# KiCad board Layer0.kicad_pcb (continued)
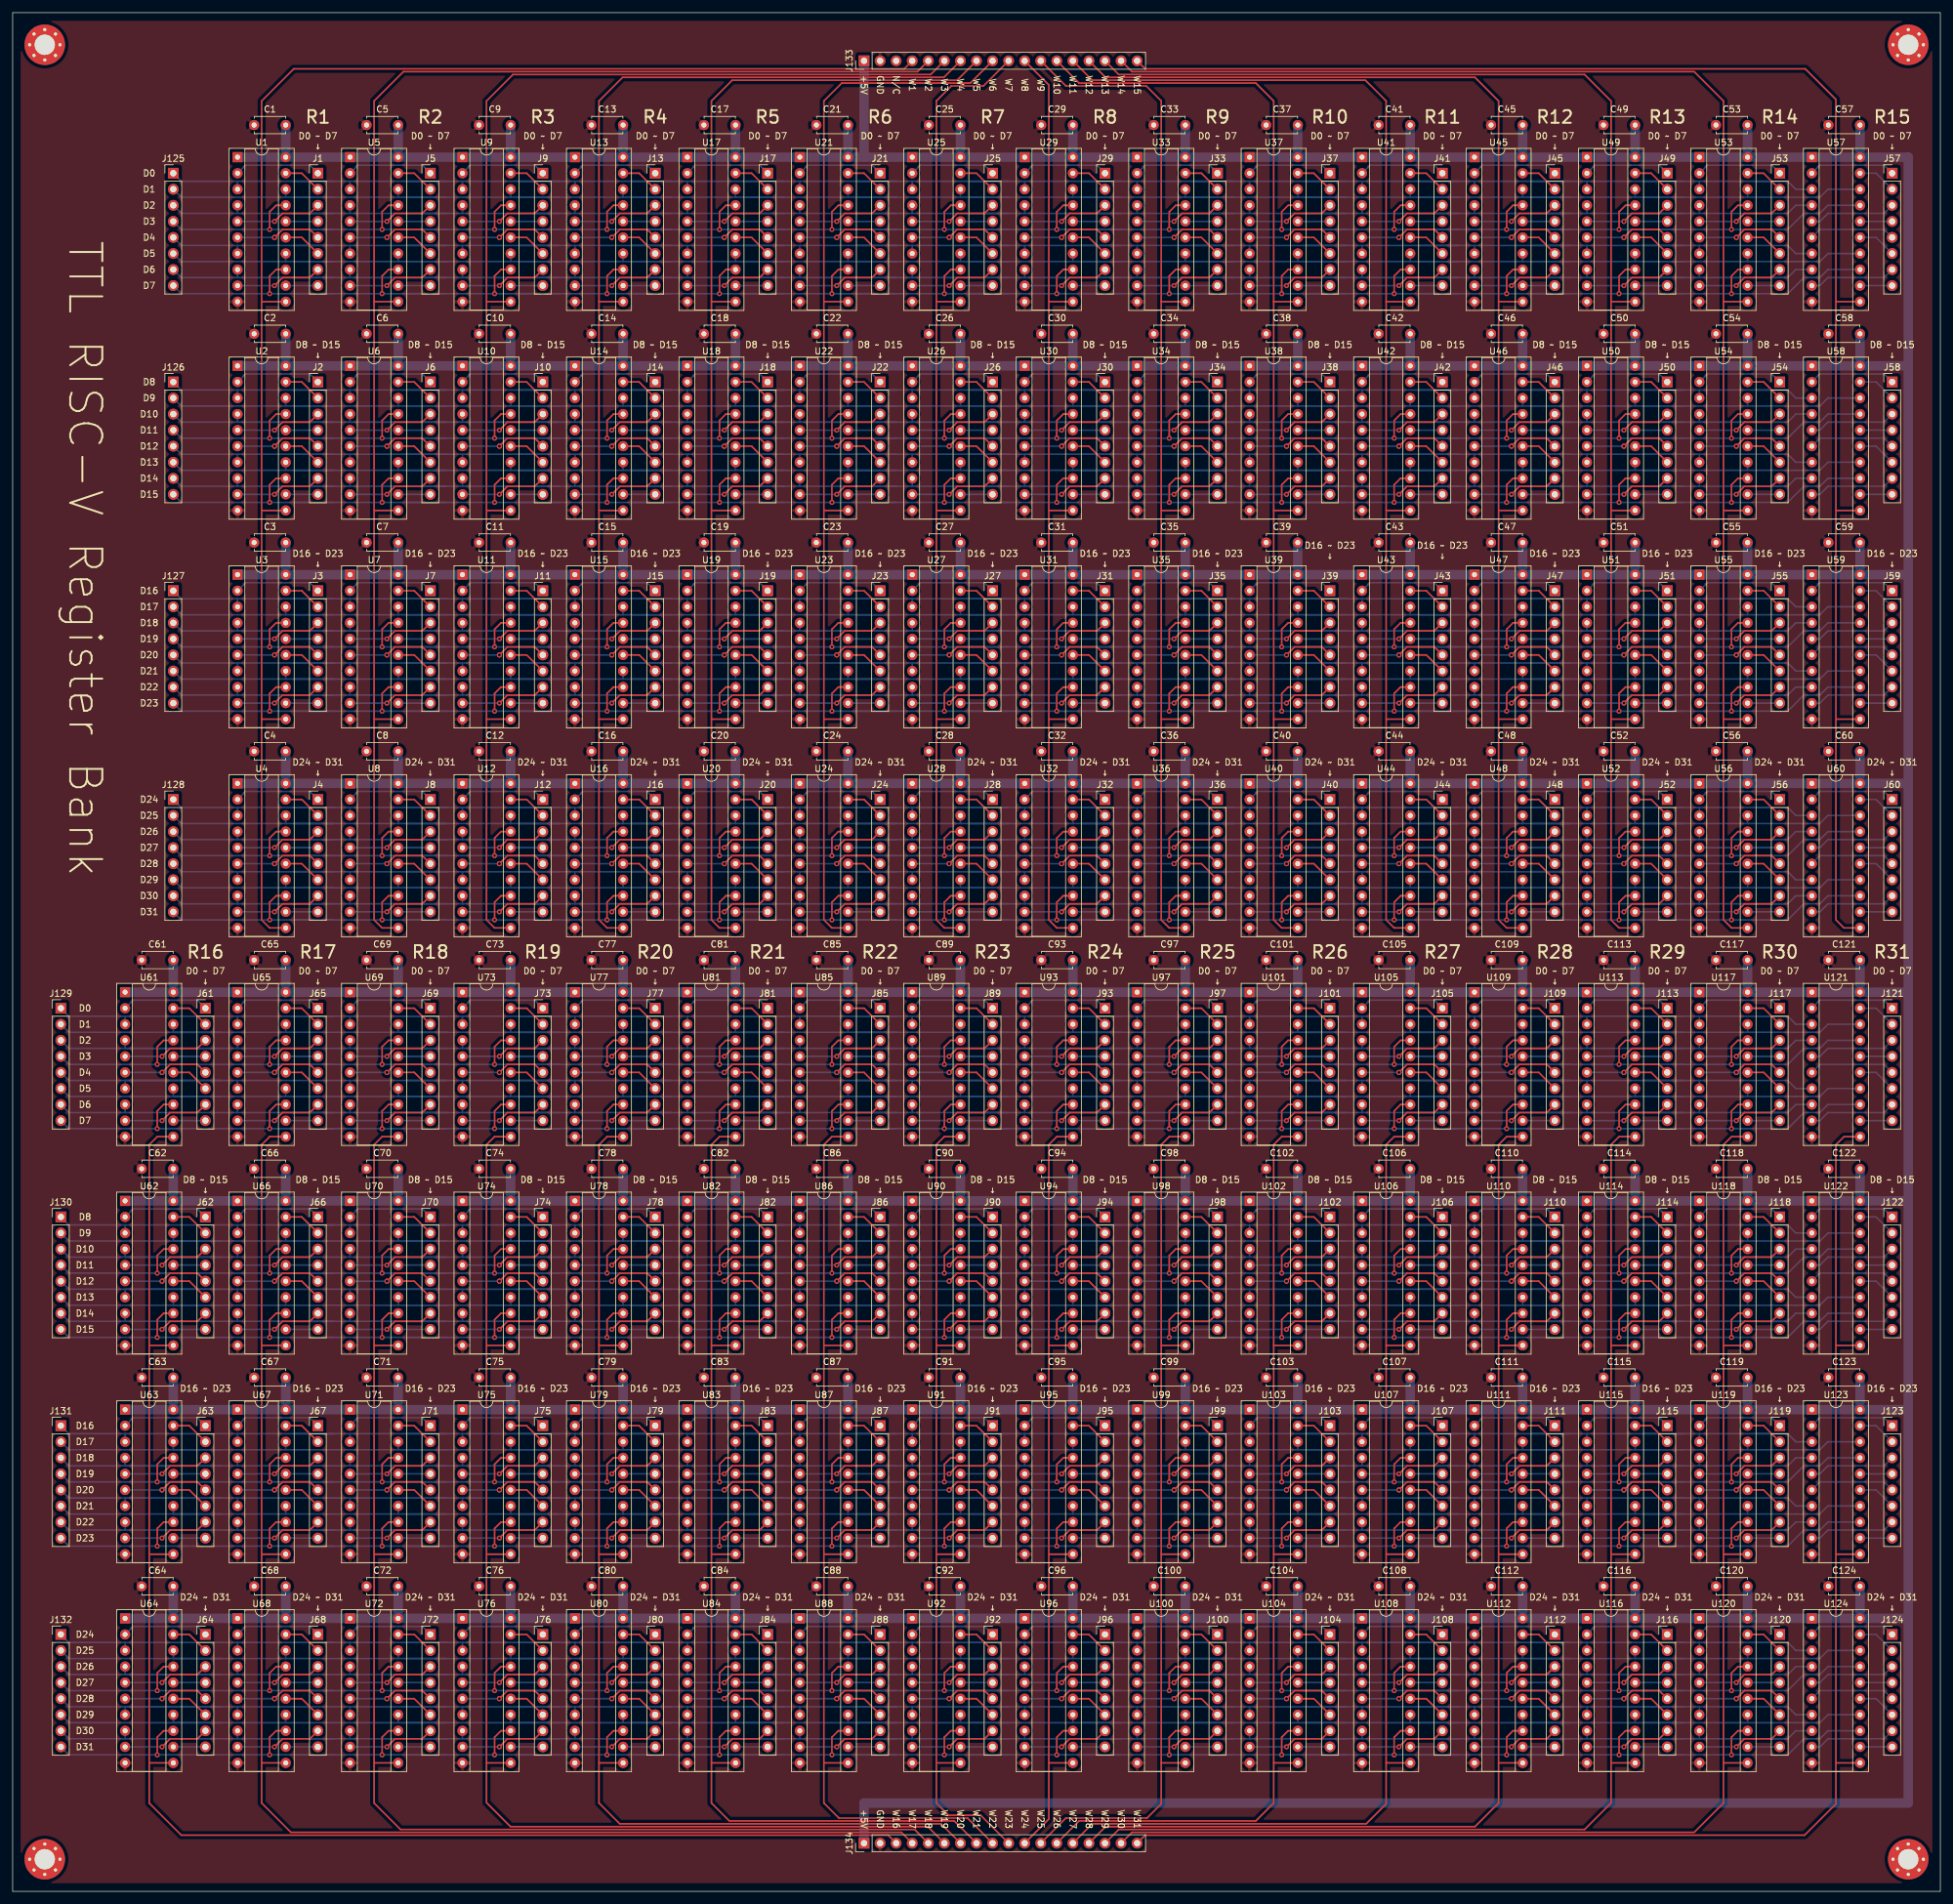
[diagram p0: board, top side]
## Routing (per net, layer and track width the routed paths; a pad name or vN(x,y) marks a point on that pad's centre or on a via; arc(x,y) is an arc through that point) (continued)
Net-(J8-Pad1): length 13.8
  Bottom w0.25: J8.1 64.77,173.99 54.61,173.99 U8.2
Net-(J8-Pad2): length 6.1
  Top w0.25: J8.2 63.5,172.72 U8.19
Net-(J8-Pad3): length 13.8
  Top w0.25: J8.3 64.77,166.37 60.45,166.37 v1(59.18,165.1)
  Bottom w0.25: U8.5 v1(59.18,165.1)
Net-(J8-Pad4): length 5.1
  Bottom w0.25: J8.4 U8.16
Net-(J8-Pad5): length 13.8
  Top w0.25: v1(59.18,162.56) 60.45,163.83 64.77,163.83 J8.5
  Bottom w0.25: U8.6 v1(59.18,162.56)
Net-(J8-Pad6): length 6.1
  Top w0.25: U8.15 63.5,162.56 J8.6
Net-(J8-Pad7): length 13.8
  Top w0.25: J8.7 64.77,156.21 60.45,156.21 v1(59.18,154.94)
  Bottom w0.25: U8.9 v1(59.18,154.94)
Net-(J8-Pad8): length 5.1
  Bottom w0.25: U8.12 J8.8
Net-(J9-Pad1): length 13.8
  Bottom w0.25: J9.1 82.55,273.05 72.39,273.05 U9.2
Net-(J9-Pad2): length 6.1
  Top w0.25: J9.2 81.28,271.78 U9.19
Net-(J9-Pad3): length 13.8
  Top w0.25: J9.3 82.55,265.43 78.23,265.43 v1(76.96,264.16)
  Bottom w0.25: U9.5 v1(76.96,264.16)
Net-(J9-Pad4): length 5.1
  Bottom w0.25: J9.4 U9.16
Net-(J9-Pad5): length 13.8
  Top w0.25: v1(76.96,261.62) 78.23,262.89 82.55,262.89 J9.5
  Bottom w0.25: U9.6 v1(76.96,261.62)
Net-(J9-Pad6): length 6.1
  Top w0.25: U9.15 81.28,261.62 J9.6
Net-(J9-Pad7): length 13.8
  Top w0.25: v1(76.96,254) 78.23,255.27 82.55,255.27 J9.7
  Bottom w0.25: U9.9 v1(76.96,254)
Net-(J9-Pad8): length 5.1
  Bottom w0.25: U9.12 J9.8
Net-(J10-Pad1): length 13.8
  Bottom w0.25: J10.1 82.55,240.03 72.39,240.03 U10.2
Net-(J10-Pad2): length 6.1
  Top w0.25: J10.2 81.28,238.76 U10.19
Net-(J10-Pad3): length 13.8
  Top w0.25: J10.3 82.55,232.41 78.23,232.41 v1(76.96,231.14)
  Bottom w0.25: U10.5 v1(76.96,231.14)
Net-(J10-Pad4): length 5.1
  Bottom w0.25: J10.4 U10.16
Net-(J10-Pad5): length 13.8
  Top w0.25: J10.5 82.55,229.87 78.23,229.87 v1(76.96,228.6)
  Bottom w0.25: U10.6 v1(76.96,228.6)
Net-(J10-Pad6): length 6.1
  Top w0.25: U10.15 81.28,228.6 J10.6
Net-(J10-Pad7): length 13.8
  Top w0.25: J10.7 82.55,222.25 78.23,222.25 v1(76.96,220.98)
  Bottom w0.25: U10.9 v1(76.96,220.98)
Net-(J10-Pad8): length 5.1
  Bottom w0.25: U10.12 J10.8
Net-(J11-Pad1): length 13.8
  Bottom w0.25: J11.1 82.55,207.01 72.39,207.01 U11.2
Net-(J11-Pad2): length 6.1
  Top w0.25: J11.2 81.28,205.74 U11.19
Net-(J11-Pad3): length 13.8
  Top w0.25: J11.3 82.55,199.39 78.23,199.39 v1(76.96,198.12)
  Bottom w0.25: U11.5 v1(76.96,198.12)
Net-(J11-Pad4): length 5.1
  Bottom w0.25: J11.4 U11.16
Net-(J11-Pad5): length 13.8
  Top w0.25: J11.5 82.55,196.85 78.23,196.85 v1(76.96,195.58)
  Bottom w0.25: U11.6 v1(76.96,195.58)
Net-(J11-Pad6): length 6.1
  Top w0.25: U11.15 81.28,195.58 J11.6
Net-(J11-Pad7): length 13.8
  Top w0.25: J11.7 82.55,189.23 78.23,189.23 v1(76.96,187.96)
  Bottom w0.25: U11.9 v1(76.96,187.96)
Net-(J11-Pad8): length 5.1
  Bottom w0.25: U11.12 J11.8
Net-(J12-Pad1): length 13.8
  Bottom w0.25: J12.1 82.55,173.99 72.39,173.99 U12.2
Net-(J12-Pad2): length 6.1
  Top w0.25: J12.2 81.28,172.72 U12.19
Net-(J12-Pad3): length 13.8
  Top w0.25: J12.3 82.55,166.37 78.23,166.37 v1(76.96,165.1)
  Bottom w0.25: U12.5 v1(76.96,165.1)
Net-(J12-Pad4): length 5.1
  Bottom w0.25: J12.4 U12.16
Net-(J12-Pad5): length 13.8
  Top w0.25: J12.5 82.55,163.83 78.23,163.83 v1(76.96,162.56)
  Bottom w0.25: U12.6 v1(76.96,162.56)
Net-(J12-Pad6): length 6.1
  Top w0.25: U12.15 81.28,162.56 J12.6
Net-(J12-Pad7): length 13.8
  Top w0.25: J12.7 82.55,156.21 78.23,156.21 v1(76.96,154.94)
  Bottom w0.25: U12.9 v1(76.96,154.94)
Net-(J12-Pad8): length 5.1
  Bottom w0.25: U12.12 J12.8
Net-(J13-Pad1): length 13.8
  Bottom w0.25: J13.1 100.33,273.05 90.17,273.05 U13.2
Net-(J13-Pad2): length 6.1
  Top w0.25: J13.2 99.06,271.78 U13.19
Net-(J13-Pad3): length 13.8
  Top w0.25: J13.3 100.33,265.43 96.01,265.43 v1(94.74,264.16)
  Bottom w0.25: U13.5 v1(94.74,264.16)
Net-(J13-Pad4): length 5.1
  Bottom w0.25: J13.4 U13.16
Net-(J13-Pad5): length 13.8
  Top w0.25: v1(94.74,261.62) 96.01,262.89 100.33,262.89 J13.5
  Bottom w0.25: U13.6 v1(94.74,261.62)
Net-(J13-Pad6): length 6.1
  Top w0.25: U13.15 99.06,261.62 J13.6
Net-(J13-Pad7): length 13.8
  Top w0.25: v1(94.74,254) 96.01,255.27 100.33,255.27 J13.7
  Bottom w0.25: U13.9 v1(94.74,254)
Net-(J13-Pad8): length 5.1
  Bottom w0.25: U13.12 J13.8
Net-(J14-Pad1): length 13.8
  Bottom w0.25: U14.2 90.17,240.03 100.33,240.03 J14.1
Net-(J14-Pad2): length 6.1
  Top w0.25: J14.2 99.06,238.76 U14.19
Net-(J14-Pad3): length 13.8
  Top w0.25: J14.3 100.33,232.41 96.01,232.41 v1(94.74,231.14)
  Bottom w0.25: U14.5 v1(94.74,231.14)
Net-(J14-Pad4): length 5.1
  Bottom w0.25: J14.4 U14.16
Net-(J14-Pad5): length 13.8
  Top w0.25: J14.5 100.33,229.87 96.01,229.87 v1(94.74,228.6)
  Bottom w0.25: U14.6 v1(94.74,228.6)
Net-(J14-Pad6): length 6.1
  Top w0.25: U14.15 99.06,228.6 J14.6
Net-(J14-Pad7): length 13.8
  Top w0.25: J14.7 100.33,222.25 96.01,222.25 v1(94.74,220.98)
  Bottom w0.25: U14.9 v1(94.74,220.98)
Net-(J14-Pad8): length 5.1
  Bottom w0.25: U14.12 J14.8
Net-(J15-Pad1): length 13.8
  Bottom w0.25: U15.2 90.17,207.01 100.33,207.01 J15.1
Net-(J15-Pad2): length 6.1
  Top w0.25: J15.2 99.06,205.74 U15.19
Net-(J15-Pad3): length 13.8
  Top w0.25: J15.3 100.33,199.39 96.01,199.39 v1(94.74,198.12)
  Bottom w0.25: U15.5 v1(94.74,198.12)
Net-(J15-Pad4): length 5.1
  Bottom w0.25: J15.4 U15.16
Net-(J15-Pad5): length 13.8
  Top w0.25: J15.5 100.33,196.85 96.01,196.85 v1(94.74,195.58)
  Bottom w0.25: U15.6 v1(94.74,195.58)
Net-(J15-Pad6): length 6.1
  Top w0.25: U15.15 99.06,195.58 J15.6
Net-(J15-Pad7): length 13.8
  Top w0.25: J15.7 100.33,189.23 96.01,189.23 v1(94.74,187.96)
  Bottom w0.25: U15.9 v1(94.74,187.96)
Net-(J15-Pad8): length 5.1
  Bottom w0.25: U15.12 J15.8
Net-(J16-Pad1): length 13.8
  Bottom w0.25: U16.2 90.17,173.99 100.33,173.99 J16.1
Net-(J16-Pad2): length 6.1
  Top w0.25: J16.2 99.06,172.72 U16.19
Net-(J16-Pad3): length 13.8
  Top w0.25: J16.3 100.33,166.37 96.01,166.37 v1(94.74,165.1)
  Bottom w0.25: U16.5 v1(94.74,165.1)
Net-(J16-Pad4): length 5.1
  Bottom w0.25: J16.4 U16.16
Net-(J16-Pad5): length 13.8
  Top w0.25: J16.5 100.33,163.83 96.01,163.83 v1(94.74,162.56)
  Bottom w0.25: U16.6 v1(94.74,162.56)
Net-(J16-Pad6): length 6.1
  Top w0.25: U16.15 99.06,162.56 J16.6
Net-(J16-Pad7): length 13.8
  Top w0.25: J16.7 100.33,156.21 96.01,156.21 v1(94.74,154.94)
  Bottom w0.25: U16.9 v1(94.74,154.94)
Net-(J16-Pad8): length 5.1
  Bottom w0.25: U16.12 J16.8
Net-(J17-Pad1): length 13.8
  Bottom w0.25: J17.1 118.11,273.05 107.95,273.05 U17.2
Net-(J17-Pad2): length 6.1
  Top w0.25: J17.2 116.84,271.78 U17.19
Net-(J17-Pad3): length 13.8
  Top w0.25: J17.3 118.11,265.43 113.79,265.43 v1(112.52,264.16)
  Bottom w0.25: U17.5 v1(112.52,264.16)
Net-(J17-Pad4): length 5.1
  Bottom w0.25: J17.4 U17.16
Net-(J17-Pad5): length 13.8
  Top w0.25: v1(112.52,261.62) 113.79,262.89 118.11,262.89 J17.5
  Bottom w0.25: U17.6 v1(112.52,261.62)
Net-(J17-Pad6): length 6.1
  Top w0.25: U17.15 116.84,261.62 J17.6
Net-(J17-Pad7): length 13.8
  Top w0.25: v1(112.52,254) 113.79,255.27 118.11,255.27 J17.7
  Bottom w0.25: U17.9 v1(112.52,254)
Net-(J17-Pad8): length 5.1
  Bottom w0.25: U17.12 J17.8
Net-(J18-Pad1): length 13.8
  Bottom w0.25: U18.2 107.95,240.03 118.11,240.03 J18.1
Net-(J18-Pad2): length 6.1
  Top w0.25: U18.19 116.84,238.76 J18.2
Net-(J18-Pad3): length 13.8
  Top w0.25: v1(112.52,231.14) 113.79,232.41 118.11,232.41 J18.3
  Bottom w0.25: U18.5 v1(112.52,231.14)
Net-(J18-Pad4): length 5.1
  Bottom w0.25: J18.4 U18.16
Net-(J18-Pad5): length 13.8
  Top w0.25: J18.5 118.11,229.87 113.79,229.87 v1(112.52,228.6)
  Bottom w0.25: U18.6 v1(112.52,228.6)
Net-(J18-Pad6): length 6.1
  Top w0.25: J18.6 116.84,228.6 U18.15
Net-(J18-Pad7): length 13.8
  Top w0.25: v1(112.52,220.98) 113.79,222.25 118.11,222.25 J18.7
  Bottom w0.25: U18.9 v1(112.52,220.98)
Net-(J18-Pad8): length 5.1
  Bottom w0.25: U18.12 J18.8
Net-(J19-Pad1): length 13.8
  Bottom w0.25: U19.2 107.95,207.01 118.11,207.01 J19.1
Net-(J19-Pad2): length 6.1
  Top w0.25: U19.19 116.84,205.74 J19.2
Net-(J19-Pad3): length 13.8
  Top w0.25: v1(112.52,198.12) 113.79,199.39 118.11,199.39 J19.3
  Bottom w0.25: U19.5 v1(112.52,198.12)
Net-(J19-Pad4): length 5.1
  Bottom w0.25: J19.4 U19.16
Net-(J19-Pad5): length 13.8
  Top w0.25: J19.5 118.11,196.85 113.79,196.85 v1(112.52,195.58)
  Bottom w0.25: U19.6 v1(112.52,195.58)
Net-(J19-Pad6): length 6.1
  Top w0.25: J19.6 116.84,195.58 U19.15
Net-(J19-Pad7): length 13.8
  Top w0.25: v1(112.52,187.96) 113.79,189.23 118.11,189.23 J19.7
  Bottom w0.25: U19.9 v1(112.52,187.96)
Net-(J19-Pad8): length 5.1
  Bottom w0.25: U19.12 J19.8
Net-(J20-Pad1): length 13.8
  Bottom w0.25: U20.2 107.95,173.99 118.11,173.99 J20.1
Net-(J20-Pad2): length 6.1
  Top w0.25: U20.19 116.84,172.72 J20.2
Net-(J20-Pad3): length 13.8
  Top w0.25: v1(112.52,165.1) 113.79,166.37 118.11,166.37 J20.3
  Bottom w0.25: U20.5 v1(112.52,165.1)
Net-(J20-Pad4): length 5.1
  Bottom w0.25: J20.4 U20.16
Net-(J20-Pad5): length 13.8
  Top w0.25: J20.5 118.11,163.83 113.79,163.83 v1(112.52,162.56)
  Bottom w0.25: U20.6 v1(112.52,162.56)
Net-(J20-Pad6): length 6.1
  Top w0.25: J20.6 116.84,162.56 U20.15
Net-(J20-Pad7): length 13.8
  Top w0.25: v1(112.52,154.94) 113.79,156.21 118.11,156.21 J20.7
  Bottom w0.25: U20.9 v1(112.52,154.94)
Net-(J20-Pad8): length 5.1
  Bottom w0.25: U20.12 J20.8
Net-(J21-Pad1): length 13.8
  Bottom w0.25: J21.1 135.89,273.05 125.73,273.05 U21.2
Net-(J21-Pad2): length 6.1
  Top w0.25: J21.2 134.62,271.78 U21.19
Net-(J21-Pad3): length 13.8
  Top w0.25: J21.3 135.89,265.43 131.57,265.43 v1(130.3,264.16)
  Bottom w0.25: U21.5 v1(130.3,264.16)
Net-(J21-Pad4): length 5.1
  Bottom w0.25: J21.4 U21.16
Net-(J21-Pad5): length 13.8
  Top w0.25: v1(130.3,261.62) 131.57,262.89 135.89,262.89 J21.5
  Bottom w0.25: U21.6 v1(130.3,261.62)
Net-(J21-Pad6): length 6.1
  Top w0.25: U21.15 134.62,261.62 J21.6
Net-(J21-Pad7): length 13.8
  Top w0.25: J21.7 135.89,255.27 131.57,255.27 v1(130.3,254)
  Bottom w0.25: U21.9 v1(130.3,254)
Net-(J21-Pad8): length 5.1
  Bottom w0.25: U21.12 J21.8
Net-(J22-Pad1): length 13.8
  Bottom w0.25: U22.2 125.73,240.03 135.89,240.03 J22.1
Net-(J22-Pad2): length 6.1
  Top w0.25: U22.19 134.62,238.76 J22.2
Net-(J22-Pad3): length 13.8
  Top w0.25: v1(130.3,231.14) 131.57,232.41 135.89,232.41 J22.3
  Bottom w0.25: U22.5 v1(130.3,231.14)
Net-(J22-Pad4): length 5.1
  Bottom w0.25: J22.4 U22.16
Net-(J22-Pad5): length 13.8
  Top w0.25: v1(130.3,228.6) 131.57,229.87 135.89,229.87 J22.5
  Bottom w0.25: U22.6 v1(130.3,228.6)
Net-(J22-Pad6): length 6.1
  Top w0.25: U22.15 134.62,228.6 J22.6
Net-(J22-Pad7): length 13.8
  Top w0.25: J22.7 135.89,222.25 131.57,222.25 v1(130.3,220.98)
  Bottom w0.25: U22.9 v1(130.3,220.98)
Net-(J22-Pad8): length 5.1
  Bottom w0.25: U22.12 J22.8
Net-(J23-Pad1): length 13.8
  Bottom w0.25: U23.2 125.73,207.01 135.89,207.01 J23.1
Net-(J23-Pad2): length 6.1
  Top w0.25: U23.19 134.62,205.74 J23.2
Net-(J23-Pad3): length 13.8
  Top w0.25: v1(130.3,198.12) 131.57,199.39 135.89,199.39 J23.3
  Bottom w0.25: U23.5 v1(130.3,198.12)
Net-(J23-Pad4): length 5.1
  Bottom w0.25: J23.4 U23.16
Net-(J23-Pad5): length 13.8
  Top w0.25: v1(130.3,195.58) 131.57,196.85 135.89,196.85 J23.5
  Bottom w0.25: U23.6 v1(130.3,195.58)
Net-(J23-Pad6): length 6.1
  Top w0.25: U23.15 134.62,195.58 J23.6
Net-(J23-Pad7): length 13.8
  Top w0.25: J23.7 135.89,189.23 131.57,189.23 v1(130.3,187.96)
  Bottom w0.25: U23.9 v1(130.3,187.96)
Net-(J23-Pad8): length 5.1
  Bottom w0.25: U23.12 J23.8
Net-(J24-Pad1): length 13.8
  Bottom w0.25: U24.2 125.73,173.99 135.89,173.99 J24.1
Net-(J24-Pad2): length 6.1
  Top w0.25: U24.19 134.62,172.72 J24.2
Net-(J24-Pad3): length 13.8
  Top w0.25: v1(130.3,165.1) 131.57,166.37 135.89,166.37 J24.3
  Bottom w0.25: U24.5 v1(130.3,165.1)
Net-(J24-Pad4): length 5.1
  Bottom w0.25: J24.4 U24.16
Net-(J24-Pad5): length 13.8
  Top w0.25: v1(130.3,162.56) 131.57,163.83 135.89,163.83 J24.5
  Bottom w0.25: U24.6 v1(130.3,162.56)
Net-(J24-Pad6): length 6.1
  Top w0.25: U24.15 134.62,162.56 J24.6
Net-(J24-Pad7): length 13.8
  Top w0.25: J24.7 135.89,156.21 131.57,156.21 v1(130.3,154.94)
  Bottom w0.25: U24.9 v1(130.3,154.94)
Net-(J24-Pad8): length 5.1
  Bottom w0.25: U24.12 J24.8
Net-(J25-Pad1): length 13.8
  Bottom w0.25: J25.1 153.67,273.05 143.51,273.05 U25.2
Net-(J25-Pad2): length 6.1
  Top w0.25: J25.2 152.4,271.78 U25.19
Net-(J25-Pad3): length 13.8
  Top w0.25: J25.3 153.67,265.43 149.35,265.43 v1(148.08,264.16)
  Bottom w0.25: U25.5 v1(148.08,264.16)
Net-(J25-Pad4): length 5.1
  Bottom w0.25: J25.4 U25.16
Net-(J25-Pad5): length 13.8
  Top w0.25: J25.5 153.67,262.89 149.35,262.89 v1(148.08,261.62)
  Bottom w0.25: U25.6 v1(148.08,261.62)
Net-(J25-Pad6): length 6.1
  Top w0.25: U25.15 152.4,261.62 J25.6
Net-(J25-Pad7): length 13.8
  Top w0.25: J25.7 153.67,255.27 149.35,255.27 v1(148.08,254)
  Bottom w0.25: U25.9 v1(148.08,254)
Net-(J25-Pad8): length 5.1
  Bottom w0.25: U25.12 J25.8
Net-(J26-Pad1): length 13.8
  Bottom w0.25: U26.2 143.51,240.03 153.67,240.03 J26.1
Net-(J26-Pad2): length 6.1
  Top w0.25: U26.19 152.4,238.76 J26.2
Net-(J26-Pad3): length 13.8
  Top w0.25: v1(148.08,231.14) 149.35,232.41 153.67,232.41 J26.3
  Bottom w0.25: U26.5 v1(148.08,231.14)
Net-(J26-Pad4): length 5.1
  Bottom w0.25: J26.4 U26.16
Net-(J26-Pad5): length 13.8
  Top w0.25: J26.5 153.67,229.87 149.35,229.87 v1(148.08,228.6)
  Bottom w0.25: U26.6 v1(148.08,228.6)
Net-(J26-Pad6): length 6.1
  Top w0.25: J26.6 152.4,228.6 U26.15
Net-(J26-Pad7): length 13.8
  Top w0.25: v1(148.08,220.98) 149.35,222.25 153.67,222.25 J26.7
  Bottom w0.25: U26.9 v1(148.08,220.98)
Net-(J26-Pad8): length 5.1
  Bottom w0.25: U26.12 J26.8
Net-(J27-Pad1): length 13.8
  Bottom w0.25: U27.2 143.51,207.01 153.67,207.01 J27.1
Net-(J27-Pad2): length 6.1
  Top w0.25: U27.19 152.4,205.74 J27.2
Net-(J27-Pad3): length 13.8
  Top w0.25: v1(148.08,198.12) 149.35,199.39 153.67,199.39 J27.3
  Bottom w0.25: U27.5 v1(148.08,198.12)
Net-(J27-Pad4): length 5.1
  Bottom w0.25: J27.4 U27.16
Net-(J27-Pad5): length 13.8
  Top w0.25: J27.5 153.67,196.85 149.35,196.85 v1(148.08,195.58)
  Bottom w0.25: U27.6 v1(148.08,195.58)
Net-(J27-Pad6): length 6.1
  Top w0.25: J27.6 152.4,195.58 U27.15
Net-(J27-Pad7): length 13.8
  Top w0.25: v1(148.08,187.96) 149.35,189.23 153.67,189.23 J27.7
  Bottom w0.25: U27.9 v1(148.08,187.96)
Net-(J27-Pad8): length 5.1
  Bottom w0.25: U27.12 J27.8
Net-(J28-Pad1): length 13.8
  Bottom w0.25: U28.2 143.51,173.99 153.67,173.99 J28.1
Net-(J28-Pad2): length 6.1
  Top w0.25: U28.19 152.4,172.72 J28.2
Net-(J28-Pad3): length 13.8
  Top w0.25: v1(148.08,165.1) 149.35,166.37 153.67,166.37 J28.3
  Bottom w0.25: U28.5 v1(148.08,165.1)
Net-(J28-Pad4): length 5.1
  Bottom w0.25: J28.4 U28.16
Net-(J28-Pad5): length 13.8
  Top w0.25: J28.5 153.67,163.83 149.35,163.83 v1(148.08,162.56)
  Bottom w0.25: U28.6 v1(148.08,162.56)
Net-(J28-Pad6): length 6.1
  Top w0.25: J28.6 152.4,162.56 U28.15
Net-(J28-Pad7): length 13.8
  Top w0.25: v1(148.08,154.94) 149.35,156.21 153.67,156.21 J28.7
  Bottom w0.25: U28.9 v1(148.08,154.94)
Net-(J28-Pad8): length 5.1
  Bottom w0.25: U28.12 J28.8
Net-(J29-Pad1): length 13.8
  Bottom w0.25: U29.2 161.29,273.05 171.45,273.05 J29.1
Net-(J29-Pad2): length 6.1
  Top w0.25: J29.2 170.18,271.78 U29.19
Net-(J29-Pad3): length 13.8
  Top w0.25: J29.3 171.45,265.43 167.13,265.43 v1(165.86,264.16)
  Bottom w0.25: U29.5 v1(165.86,264.16)
Net-(J29-Pad4): length 5.1
  Bottom w0.25: J29.4 U29.16
Net-(J29-Pad5): length 13.8
  Top w0.25: J29.5 171.45,262.89 167.13,262.89 v1(165.86,261.62)
  Bottom w0.25: U29.6 v1(165.86,261.62)
Net-(J29-Pad6): length 6.1
  Top w0.25: U29.15 170.18,261.62 J29.6
Net-(J29-Pad7): length 13.8
  Top w0.25: J29.7 171.45,255.27 167.13,255.27 v1(165.86,254)
  Bottom w0.25: U29.9 v1(165.86,254)
Net-(J29-Pad8): length 5.1
  Bottom w0.25: U29.12 J29.8
Net-(J30-Pad1): length 13.8
  Bottom w0.25: J30.1 171.45,240.03 161.29,240.03 U30.2
Net-(J30-Pad2): length 6.1
  Top w0.25: U30.19 170.18,238.76 J30.2
Net-(J30-Pad3): length 13.8
  Top w0.25: J30.3 171.45,232.41 167.13,232.41 v1(165.86,231.14)
  Bottom w0.25: U30.5 v1(165.86,231.14)
Net-(J30-Pad4): length 5.1
  Bottom w0.25: J30.4 U30.16
Net-(J30-Pad5): length 13.8
  Top w0.25: v1(165.86,228.6) 167.13,229.87 171.45,229.87 J30.5
  Bottom w0.25: U30.6 v1(165.86,228.6)
Net-(J30-Pad6): length 6.1
  Top w0.25: U30.15 170.18,228.6 J30.6
Net-(J30-Pad7): length 13.8
  Top w0.25: J30.7 171.45,222.25 167.13,222.25 v1(165.86,220.98)
  Bottom w0.25: U30.9 v1(165.86,220.98)
Net-(J30-Pad8): length 5.1
  Bottom w0.25: U30.12 J30.8
Net-(J31-Pad1): length 13.8
  Bottom w0.25: J31.1 171.45,207.01 161.29,207.01 U31.2
Net-(J31-Pad2): length 6.1
  Top w0.25: U31.19 170.18,205.74 J31.2
Net-(J31-Pad3): length 13.8
  Top w0.25: J31.3 171.45,199.39 167.13,199.39 v1(165.86,198.12)
  Bottom w0.25: U31.5 v1(165.86,198.12)
Net-(J31-Pad4): length 5.1
  Bottom w0.25: J31.4 U31.16
Net-(J31-Pad5): length 13.8
  Top w0.25: v1(165.86,195.58) 167.13,196.85 171.45,196.85 J31.5
  Bottom w0.25: U31.6 v1(165.86,195.58)
Net-(J31-Pad6): length 6.1
  Top w0.25: U31.15 170.18,195.58 J31.6
Net-(J31-Pad7): length 13.8
  Top w0.25: J31.7 171.45,189.23 167.13,189.23 v1(165.86,187.96)
  Bottom w0.25: U31.9 v1(165.86,187.96)
Net-(J31-Pad8): length 5.1
  Bottom w0.25: U31.12 J31.8
Net-(J32-Pad1): length 13.8
  Bottom w0.25: J32.1 171.45,173.99 161.29,173.99 U32.2
Net-(J32-Pad2): length 6.1
  Top w0.25: U32.19 170.18,172.72 J32.2
Net-(J32-Pad3): length 13.8
  Top w0.25: J32.3 171.45,166.37 167.13,166.37 v1(165.86,165.1)
  Bottom w0.25: U32.5 v1(165.86,165.1)
Net-(J32-Pad4): length 5.1
  Bottom w0.25: J32.4 U32.16
Net-(J32-Pad5): length 13.8
  Top w0.25: v1(165.86,162.56) 167.13,163.83 171.45,163.83 J32.5
  Bottom w0.25: U32.6 v1(165.86,162.56)
Net-(J32-Pad6): length 6.1
  Top w0.25: U32.15 170.18,162.56 J32.6
Net-(J32-Pad7): length 13.8
  Top w0.25: J32.7 171.45,156.21 167.13,156.21 v1(165.86,154.94)
  Bottom w0.25: U32.9 v1(165.86,154.94)
Net-(J32-Pad8): length 5.1
  Bottom w0.25: U32.12 J32.8
Net-(J33-Pad1): length 13.8
  Bottom w0.25: J33.1 189.23,273.05 179.07,273.05 U33.2
Net-(J33-Pad2): length 6.1
  Top w0.25: J33.2 187.96,271.78 U33.19
Net-(J33-Pad3): length 13.8
  Top w0.25: J33.3 189.23,265.43 184.91,265.43 v1(183.64,264.16)
  Bottom w0.25: U33.5 v1(183.64,264.16)
Net-(J33-Pad4): length 5.1
  Bottom w0.25: J33.4 U33.16
Net-(J33-Pad5): length 13.8
  Top w0.25: v1(183.64,261.62) 184.91,262.89 189.23,262.89 J33.5
  Bottom w0.25: U33.6 v1(183.64,261.62)
Net-(J33-Pad6): length 6.1
  Top w0.25: U33.15 187.96,261.62 J33.6
Net-(J33-Pad7): length 13.8
  Top w0.25: v1(183.64,254) 184.91,255.27 189.23,255.27 J33.7
  Bottom w0.25: U33.9 v1(183.64,254)
Net-(J33-Pad8): length 5.1
  Bottom w0.25: U33.12 J33.8
Net-(J34-Pad1): length 13.8
  Bottom w0.25: J34.1 189.23,240.03 179.07,240.03 U34.2
Net-(J34-Pad2): length 6.1
  Top w0.25: J34.2 187.96,238.76 U34.19
Net-(J34-Pad3): length 13.8
  Top w0.25: J34.3 189.23,232.41 184.91,232.41 v1(183.64,231.14)
  Bottom w0.25: U34.5 v1(183.64,231.14)
Net-(J34-Pad4): length 5.1
  Bottom w0.25: J34.4 U34.16
Net-(J34-Pad5): length 13.8
  Top w0.25: v1(183.64,228.6) 184.91,229.87 189.23,229.87 J34.5
  Bottom w0.25: U34.6 v1(183.64,228.6)
Net-(J34-Pad6): length 6.1
  Top w0.25: U34.15 187.96,228.6 J34.6
Net-(J34-Pad7): length 13.8
  Top w0.25: v1(183.64,220.98) 184.91,222.25 189.23,222.25 J34.7
  Bottom w0.25: U34.9 v1(183.64,220.98)
Net-(J34-Pad8): length 5.1
  Bottom w0.25: U34.12 J34.8
Net-(J35-Pad1): length 13.8
  Bottom w0.25: J35.1 189.23,207.01 179.07,207.01 U35.2
Net-(J35-Pad2): length 6.1
  Top w0.25: J35.2 187.96,205.74 U35.19
Net-(J35-Pad3): length 13.8
  Top w0.25: J35.3 189.23,199.39 184.91,199.39 v1(183.64,198.12)
  Bottom w0.25: U35.5 v1(183.64,198.12)
Net-(J35-Pad4): length 5.1
  Bottom w0.25: J35.4 U35.16
Net-(J35-Pad5): length 13.8
  Top w0.25: v1(183.64,195.58) 184.91,196.85 189.23,196.85 J35.5
  Bottom w0.25: U35.6 v1(183.64,195.58)
Net-(J35-Pad6): length 6.1
  Top w0.25: U35.15 187.96,195.58 J35.6
Net-(J35-Pad7): length 13.8
  Top w0.25: v1(183.64,187.96) 184.91,189.23 189.23,189.23 J35.7
  Bottom w0.25: U35.9 v1(183.64,187.96)
Net-(J35-Pad8): length 5.1
  Bottom w0.25: U35.12 J35.8
Net-(J36-Pad1): length 13.8
  Bottom w0.25: J36.1 189.23,173.99 179.07,173.99 U36.2
Net-(J36-Pad2): length 6.1
  Top w0.25: J36.2 187.96,172.72 U36.19
Net-(J36-Pad3): length 13.8
  Top w0.25: J36.3 189.23,166.37 184.91,166.37 v1(183.64,165.1)
  Bottom w0.25: U36.5 v1(183.64,165.1)
Net-(J36-Pad4): length 5.1
  Bottom w0.25: J36.4 U36.16
Net-(J36-Pad5): length 13.8
  Top w0.25: v1(183.64,162.56) 184.91,163.83 189.23,163.83 J36.5
  Bottom w0.25: U36.6 v1(183.64,162.56)
Net-(J36-Pad6): length 6.1
  Top w0.25: U36.15 187.96,162.56 J36.6
Net-(J36-Pad7): length 13.8
  Top w0.25: v1(183.64,154.94) 184.91,156.21 189.23,156.21 J36.7
  Bottom w0.25: U36.9 v1(183.64,154.94)
Net-(J36-Pad8): length 5.1
  Bottom w0.25: U36.12 J36.8
Net-(J37-Pad1): length 13.8
  Bottom w0.25: J37.1 207.01,273.05 196.85,273.05 U37.2
Net-(J37-Pad2): length 6.1
  Top w0.25: J37.2 205.74,271.78 U37.19
Net-(J37-Pad3): length 13.8
  Top w0.25: J37.3 207.01,265.43 202.69,265.43 v1(201.42,264.16)
  Bottom w0.25: U37.5 v1(201.42,264.16)
Net-(J37-Pad4): length 5.1
  Bottom w0.25: J37.4 U37.16
Net-(J37-Pad5): length 13.8
  Top w0.25: v1(201.42,261.62) 202.69,262.89 207.01,262.89 J37.5
  Bottom w0.25: U37.6 v1(201.42,261.62)
Net-(J37-Pad6): length 6.1
  Top w0.25: U37.15 205.74,261.62 J37.6
Net-(J37-Pad7): length 13.8
  Top w0.25: J37.7 207.01,255.27 202.69,255.27 v1(201.42,254)
  Bottom w0.25: U37.9 v1(201.42,254)
Net-(J37-Pad8): length 5.1
  Bottom w0.25: U37.12 J37.8
Net-(J38-Pad1): length 13.8
  Bottom w0.25: J38.1 207.01,240.03 196.85,240.03 U38.2
Net-(J38-Pad2): length 6.1
  Top w0.25: J38.2 205.74,238.76 U38.19
Net-(J38-Pad3): length 13.8
  Top w0.25: J38.3 207.01,232.41 202.69,232.41 v1(201.42,231.14)
  Bottom w0.25: U38.5 v1(201.42,231.14)
Net-(J38-Pad4): length 5.1
  Bottom w0.25: J38.4 U38.16
Net-(J38-Pad5): length 13.8
  Top w0.25: v1(201.42,228.6) 202.69,229.87 207.01,229.87 J38.5
  Bottom w0.25: U38.6 v1(201.42,228.6)
Net-(J38-Pad6): length 6.1
  Top w0.25: U38.15 205.74,228.6 J38.6
Net-(J38-Pad7): length 13.8
  Top w0.25: J38.7 207.01,222.25 202.69,222.25 v1(201.42,220.98)
  Bottom w0.25: U38.9 v1(201.42,220.98)
Net-(J38-Pad8): length 5.1
  Bottom w0.25: U38.12 J38.8
Net-(J39-Pad1): length 13.8
  Bottom w0.25: J39.1 207.01,207.01 196.85,207.01 U39.2
Net-(J39-Pad2): length 6.1
  Top w0.25: J39.2 205.74,205.74 U39.19
Net-(J39-Pad3): length 13.8
  Top w0.25: J39.3 207.01,199.39 202.69,199.39 v1(201.42,198.12)
  Bottom w0.25: U39.5 v1(201.42,198.12)
Net-(J39-Pad4): length 5.1
  Bottom w0.25: J39.4 U39.16
Net-(J39-Pad5): length 13.8
  Top w0.25: v1(201.42,195.58) 202.69,196.85 207.01,196.85 J39.5
  Bottom w0.25: U39.6 v1(201.42,195.58)
Net-(J39-Pad6): length 6.1
  Top w0.25: U39.15 205.74,195.58 J39.6
Net-(J39-Pad7): length 13.8
  Top w0.25: J39.7 207.01,189.23 202.69,189.23 v1(201.42,187.96)
  Bottom w0.25: U39.9 v1(201.42,187.96)
Net-(J39-Pad8): length 5.1
  Bottom w0.25: U39.12 J39.8
Net-(J40-Pad1): length 13.8
  Bottom w0.25: J40.1 207.01,173.99 196.85,173.99 U40.2
Net-(J40-Pad2): length 6.1
  Top w0.25: J40.2 205.74,172.72 U40.19
Net-(J40-Pad3): length 13.8
  Top w0.25: J40.3 207.01,166.37 202.69,166.37 v1(201.42,165.1)
  Bottom w0.25: U40.5 v1(201.42,165.1)
Net-(J40-Pad4): length 5.1
  Bottom w0.25: J40.4 U40.16
Net-(J40-Pad5): length 13.8
  Top w0.25: v1(201.42,162.56) 202.69,163.83 207.01,163.83 J40.5
  Bottom w0.25: U40.6 v1(201.42,162.56)
Net-(J40-Pad6): length 6.1
  Top w0.25: U40.15 205.74,162.56 J40.6
Net-(J40-Pad7): length 13.8
  Top w0.25: J40.7 207.01,156.21 202.69,156.21 v1(201.42,154.94)
  Bottom w0.25: U40.9 v1(201.42,154.94)
Net-(J40-Pad8): length 5.1
  Bottom w0.25: U40.12 J40.8
Net-(J41-Pad1): length 13.8
  Bottom w0.25: J41.1 224.79,273.05 214.63,273.05 U41.2
Net-(J41-Pad2): length 6.1
  Top w0.25: J41.2 223.52,271.78 U41.19
Net-(J41-Pad3): length 13.8
  Top w0.25: J41.3 224.79,265.43 220.47,265.43 v1(219.2,264.16)
  Bottom w0.25: U41.5 v1(219.2,264.16)
Net-(J41-Pad4): length 5.1
  Bottom w0.25: J41.4 U41.16
Net-(J41-Pad5): length 13.8
  Top w0.25: J41.5 224.79,262.89 220.47,262.89 v1(219.2,261.62)
  Bottom w0.25: U41.6 v1(219.2,261.62)
Net-(J41-Pad6): length 6.1
  Top w0.25: U41.15 223.52,261.62 J41.6
Net-(J41-Pad7): length 13.8
  Top w0.25: J41.7 224.79,255.27 220.47,255.27 v1(219.2,254)
  Bottom w0.25: U41.9 v1(219.2,254)
Net-(J41-Pad8): length 5.1
  Bottom w0.25: U41.12 J41.8
Net-(J42-Pad1): length 13.8
  Bottom w0.25: J42.1 224.79,240.03 214.63,240.03 U42.2
Net-(J42-Pad2): length 6.1
  Top w0.25: J42.2 223.52,238.76 U42.19
Net-(J42-Pad3): length 13.8
  Top w0.25: J42.3 224.79,232.41 220.47,232.41 v1(219.2,231.14)
  Bottom w0.25: U42.5 v1(219.2,231.14)
Net-(J42-Pad4): length 5.1